# Altium PCB LinuxMini_ExtraBoard.PcbDoc (part 1 of 3)
Units mil, origin at the board's own origin, x right, y up, seen from the top; angles counter-clockwise.
Board outline 8065 x 5740 mil, 2 copper layers (Top Layer, Bottom Layer); 249 components, 216 nets, 879 pads, 804 vias.
Unrouted connection lines stored in the file: 73.
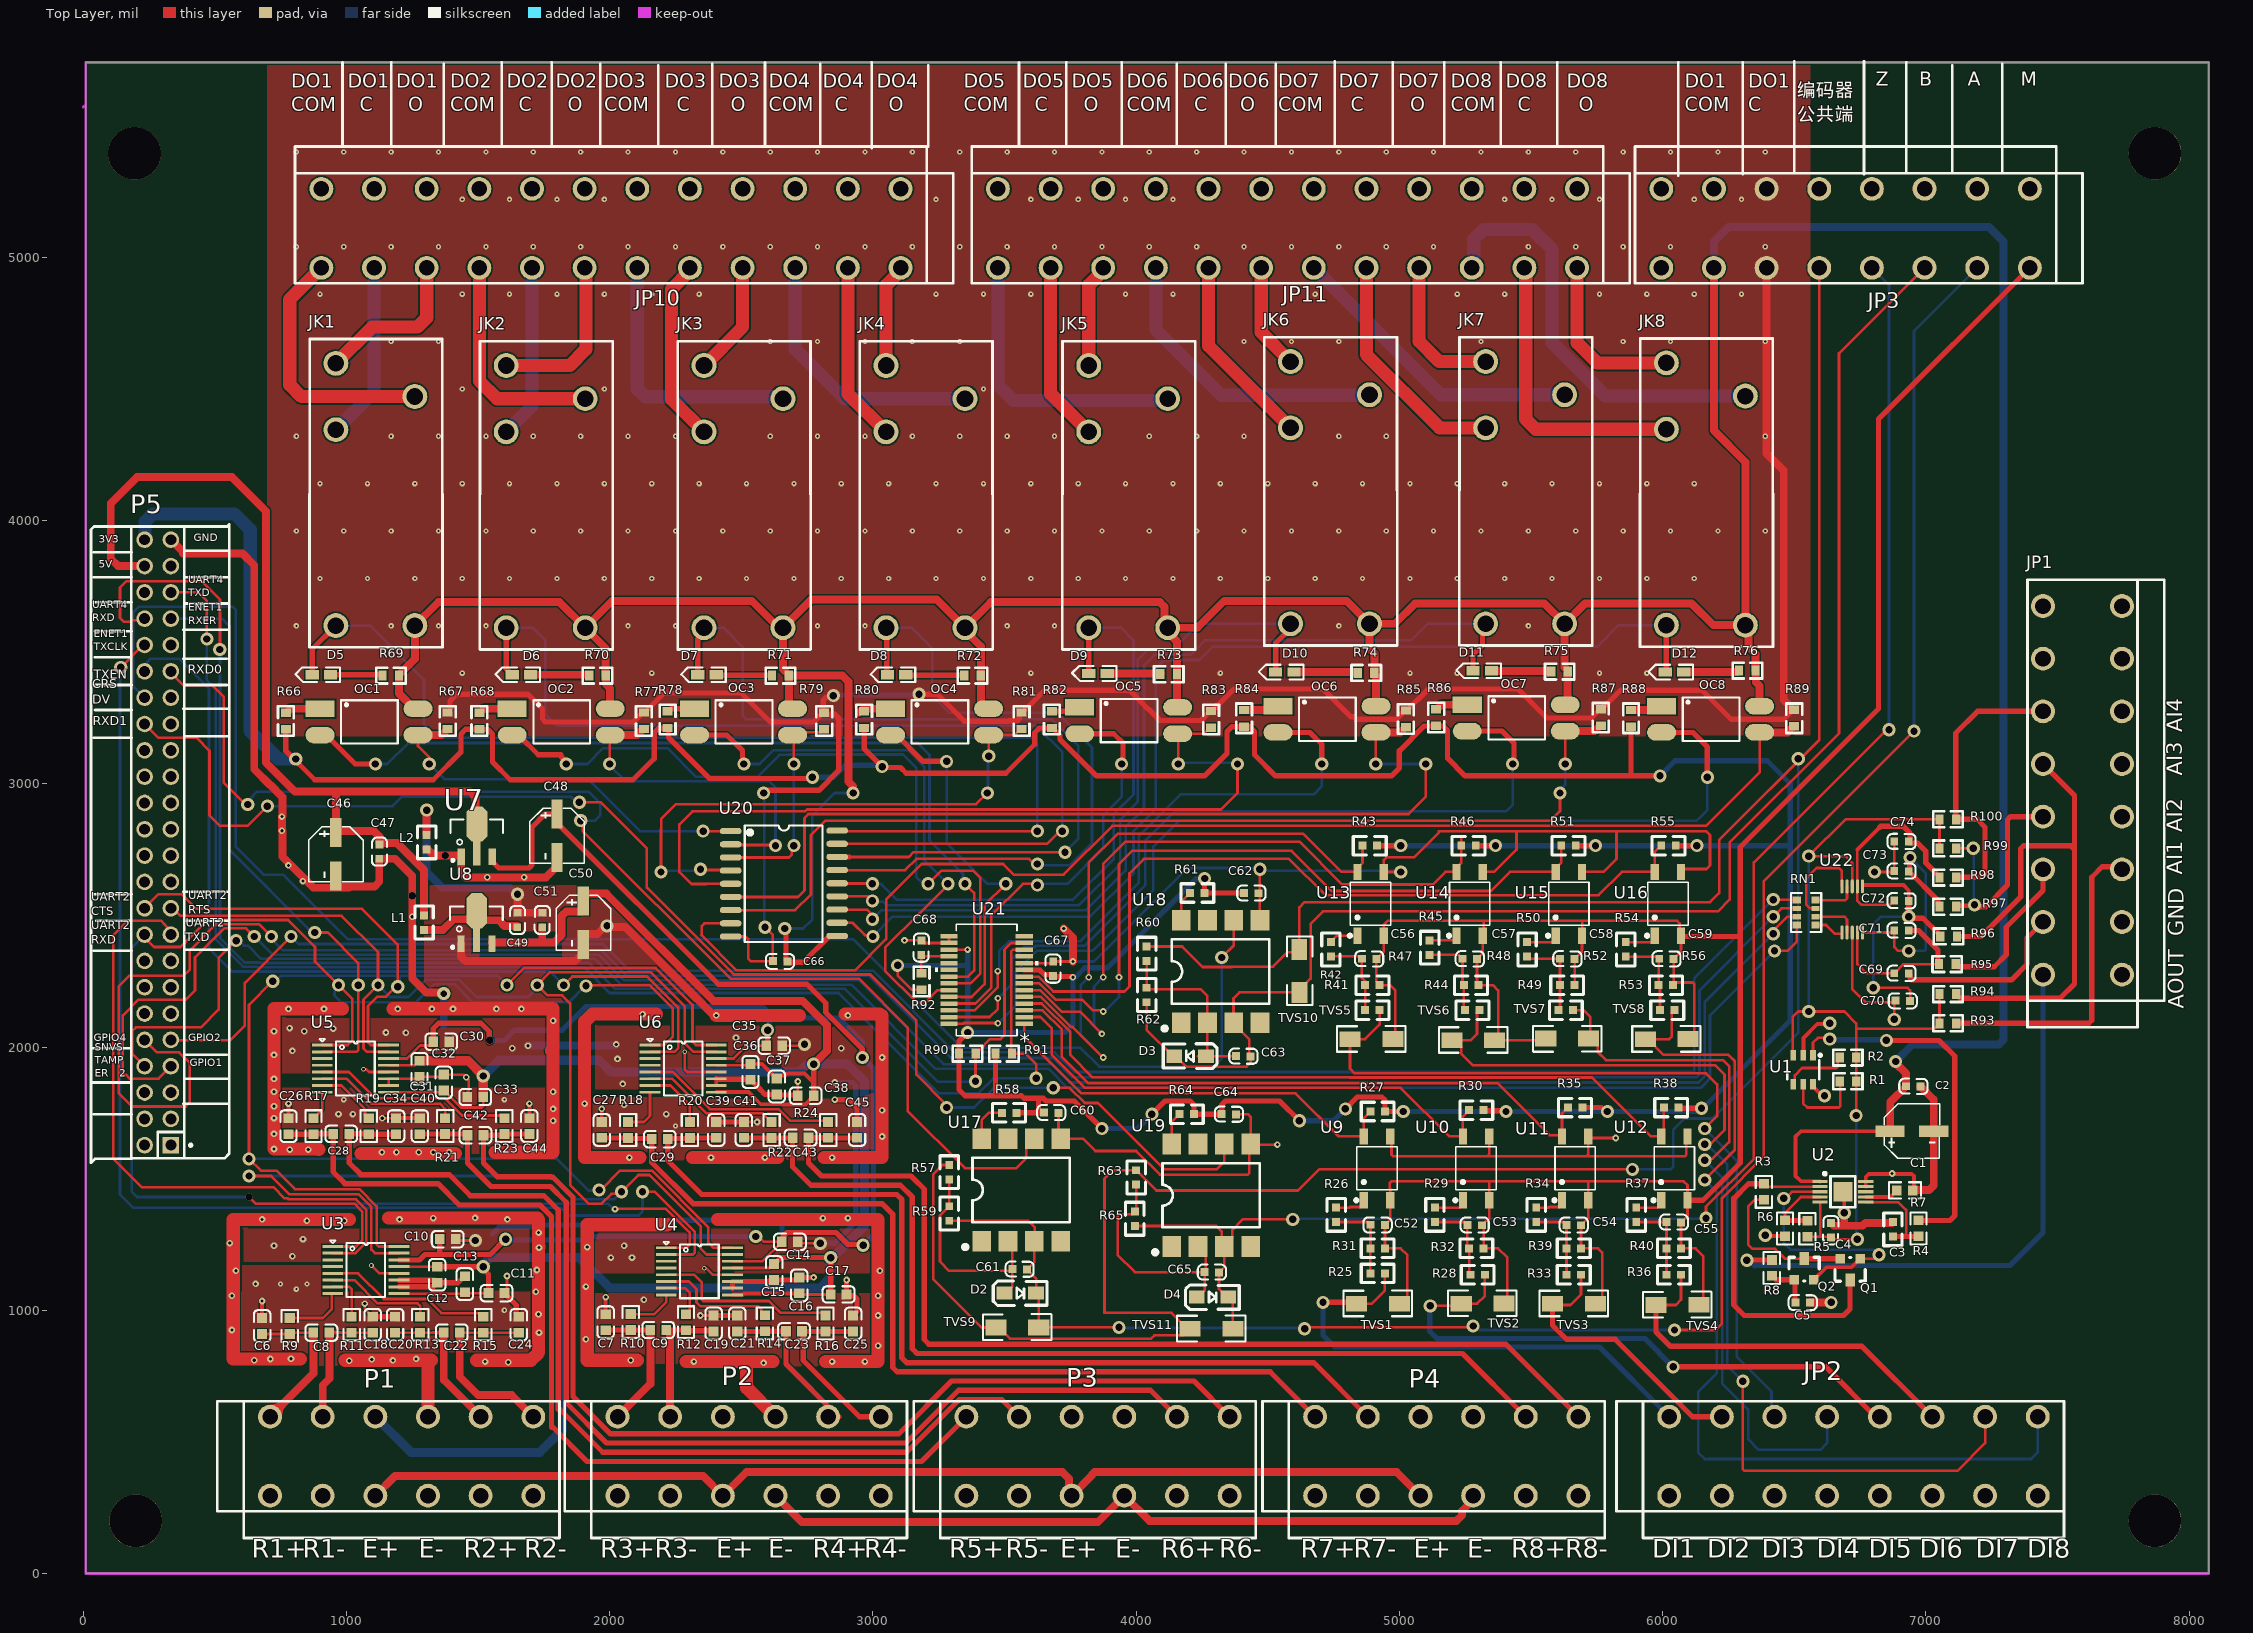
[diagram p0: Top Layer view]
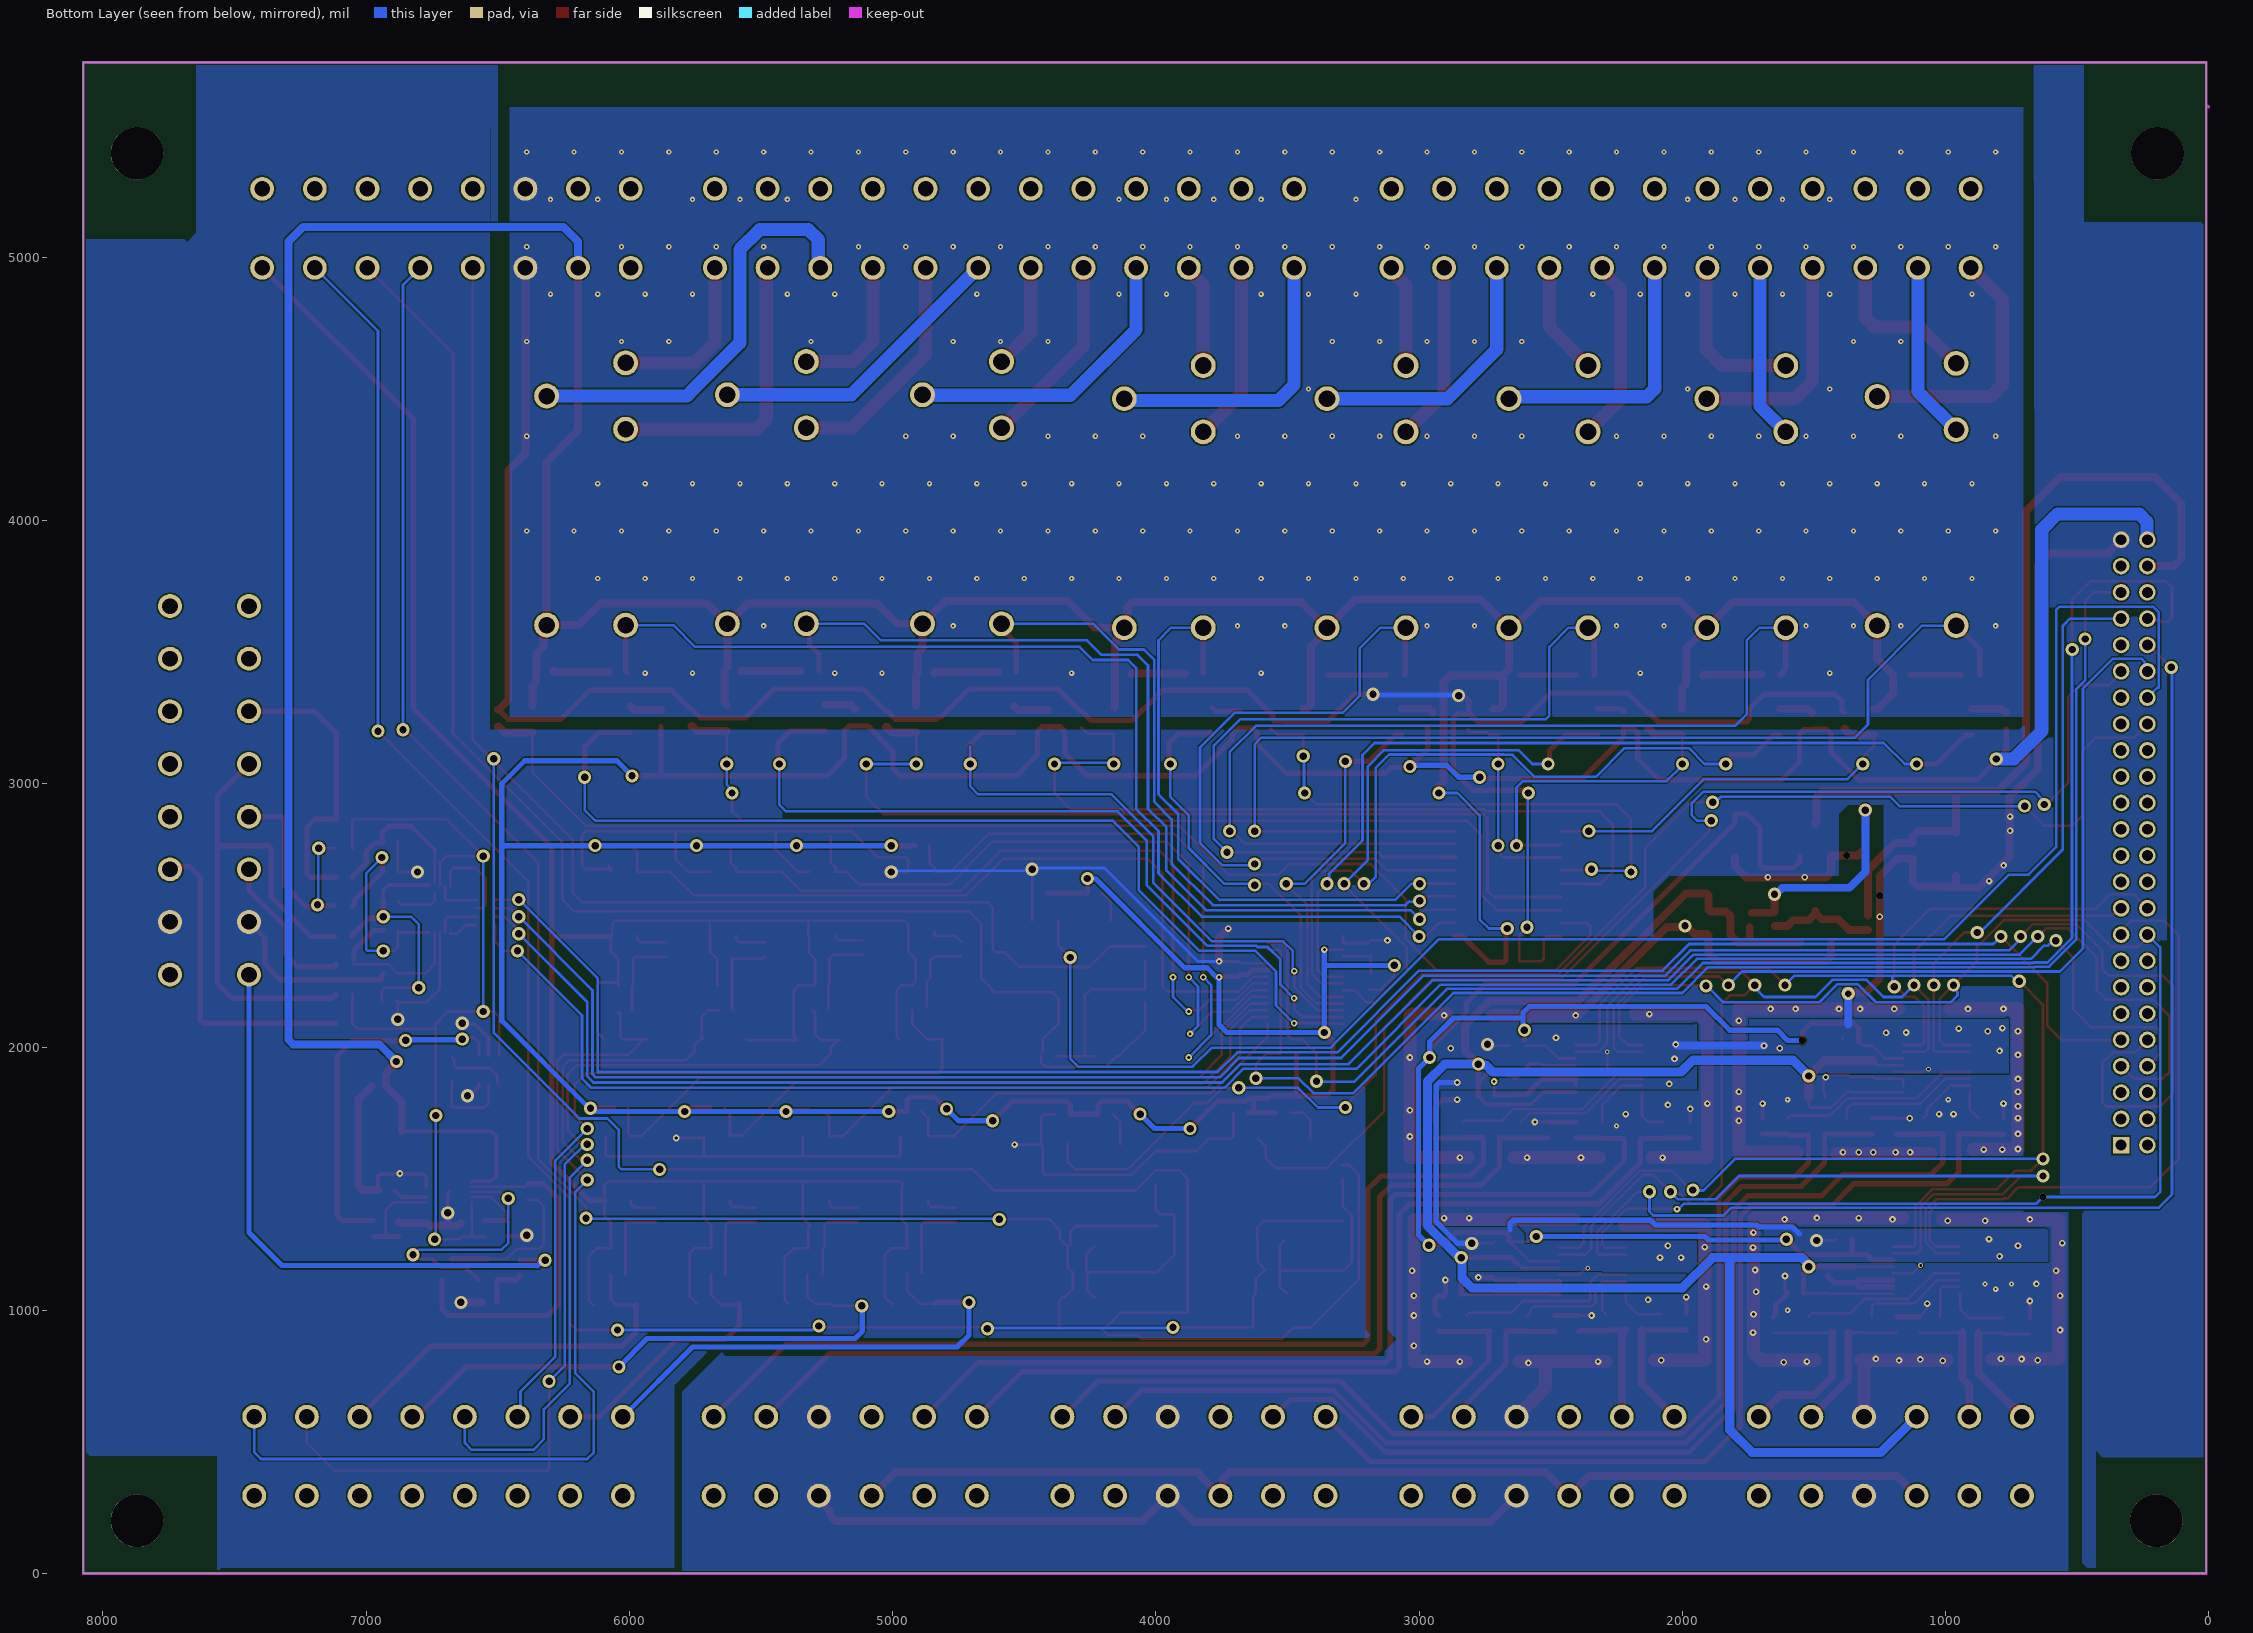
[diagram p1: Bottom Layer view, seen from below]
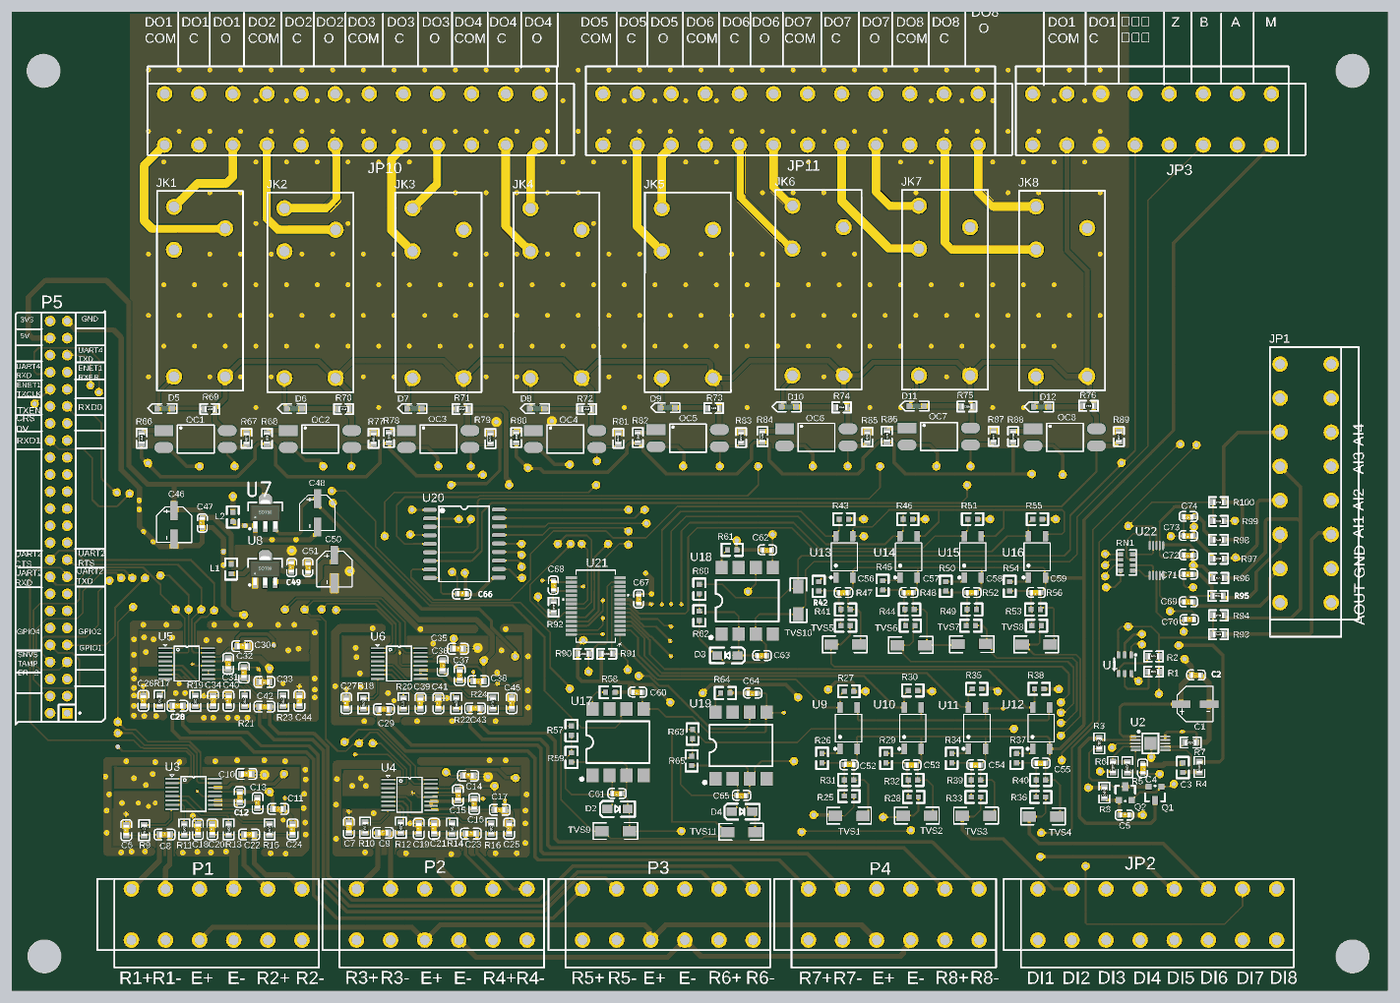
[diagram p4: 3D render of the assembled board from above, using the file's embedded part models]

## Layer stack, top to bottom
Top Solder: solder mask 0.4, Solder Resist, Dk 3.5
Top Layer: signal copper 1.4
Dielectric 1: dielectric 12.6, FR-4, Dk 4.8
Bottom Layer: signal copper 1.4
Bottom Solder: solder mask 0.4, Solder Resist, Dk 3.5

## Board outline
10,0 10,5740 8075,5740 8075,0

## Design rules (kind name [scope] priority, off if disabled: settings)
Clearance [All] p1: gap=6 ignorepadtopadclearanceinfootprint=TRUE
PolygonConnect [All] p1: connectstyle=Direct reliefconductorwidth=10 reliefentries=4 polygonreliefangle="90 Angle" airgapwidth=10
RoutingVias [All] p1: holewidth=28 width=50 viastyle="Through Hole" minholewidth=8 minwidth=20 maxholewidth=28 maxwidth=50
SolderMaskExpansion [All] p1: expansion=4 istentingtop=FALSE
UnRoutedNet [Not InComponent('P1') AND Not InNet('BGND') AND NOt InNet('GND')   AND Not InNet('NC')] p1:
Width [All] p1: maxlimit=50 minlimit=10 preferedwidth=10
29 further rules are at their usual default settings.

## Classes and differential pairs
component class Power: C46 C47 C48 C49 C50 C51 L1 L2 U7 U8
component class DOut: C66 C67 C68 D5 D6 D7 D8 D9 D10 D11 D12 JK1 JK2 JK3 JK4 JK5 JK6 JK7 JK8 JP10 JP11 OC1 OC2 OC3 OC4 OC5 OC6 OC7 OC8 R66 R67 R68 R69 R70 R71 R72 R73 R74 R75 R76 R77 R78 R79 R80 R81 R82 R83 R84 R85 R86 R87 R88 R89 R90 R91 R92 U20 U21
component class DIn: C52 C53 C54 C55 C56 C57 C58 C59 C60 C61 C62 C63 C64 C65 D2 D3 D4 JP2 JP3 R25 R26 R27 R28 R29 R30 R31 R32 R33 R34 R35 R36 R37 R38 R39 R40 R41 R42 R43 R44 R45 R46 R47 R48 R49 R50 R51 R52 R53 R54 R55 R56 R57 R58 R59 R60 R61 R62 R63 R64 R65 TVS1 TVS2 TVS3 TVS4 TVS5 TVS6 TVS7 TVS8 TVS9 TVS10 TVS11 U9 U10 U11 U12 U13 U14 U15 U16 U17 U18 U19
component class Connect: P5
component class AD_DA: C1 C2 C3 C4 C5 C69 C70 C71 C72 C73 C74 JP1 Q1 Q2 R1 R2 R3 R4 R5 R6 R7 R8 R93 R94 R95 R96 R97 R98 R99 R100 RN1 U1 U2 U22
component class AD7799: C6 C7 C8 C9 C10 C11 C12 C13 C14 C15 C16 C17 C18 C19 C20 C21 C22 C23 C24 C25 C26 C27 C28 C29 C30 C31 C32 C33 C34 C35 C36 C37 C38 C39 C40 C41 C42 C43 C44 C45 P1 P2 P3 P4 R9 R10 R11 R12 R13 R14 R15 R16 R17 R18 R19 R20 R21 R22 R23 R24 U3 U4 U5 U6

## Components (designator, comment, footprint, x,y, rotation, side; value= is the part's Value field where it differs from the comment)
C1 "10uf/30V" CC5.05.4 6809.54,1653.9 r0 top locked value=100pF
C2 "104" 0603c 6980.21,1849.65 r180 top locked value=100pF
C3 "130nF" 0603 6875,1280 r90 top locked
C4 "IUF" 0603c 6640.35,1331.67 r270 top locked value=100pF
C5 "10NF" 0603c 6504.79,1030.35 r0 top locked value=100pF
C6 "CAP" 0603_C 680,940.32 r90 top locked
C7 "CAP" 0603_C 1985,954.68 r90 top locked
C8 "100nF" 0603_C 905,915 r0 top locked
C9 "100nF" 0603_C 2185,925 r0 top locked
C10 "100nF" 0603_C 1384.68,1270 r0 top locked
C11 "100nF" 0603_C 1570.32,1065 r0 top locked
C12 "100nF" 0603_C 1345,1134.68 r270 top locked
C13 "100nF" 0603_C 1450,1099.33 r90 top locked
C14 "100nF" 0603_C 2684.68,1260 r0 top locked
C15 "100nF" 0603_C 2625,1145.32 r270 top locked
C16 "100nF" 0603_C 2720,1094.33 r90 top locked
C17 "100nF" 0603_C 2869.68,1060 r0 top locked
C18 "CAP" 0603_C 1100,945 r90 top locked
C19 "CAP" 0603_C 2395,949.68 r90 top locked
C20 "CAP" 0603_C 1185,945 r90 top locked
C21 "CAP" 0603_C 2485,949.68 r90 top locked
C22 "100nF" 0603_C 1400.32,915 r0 top locked
C23 "100nF" 0603_C 2700.32,920 r0 top locked
C24 "CAP" 0603_C 1655,945 r90 top locked
C25 "CAP" 0603_C 2925,949.68 r90 top locked
C26 "CAP" 0603_C 780,1699.33 r90 top locked
C27 "CAP" 0603_C 1970,1685 r90 top locked
C28 "100nF" 0603_C 980.32,1670 r0 top locked
C29 "100nF" 0603_C 2190.32,1650 r0 top locked
C30 "100nF" 0603_C 1360.32,2020 r0 top locked
C31 "100nF" 0603_C 1277.66,1917.34 r270 top locked
C32 "100nF" 0603_C 1370,1865 r90 top locked
C33 "100nF" 0603_C 1489.68,1810 r180 top locked
C34 "CAP" 0603_C 1188.83,1699.33 r90 top locked
C35 "100nF" 0603_C 2625.32,2005 r0 top locked
C36 "100nF" 0603_C 2535,1905.32 r270 top locked
C37 "100nF" 0603_C 2635,1850 r270 top locked
C38 "100nF" 0603_C 2744.68,1815 r180 top locked
C39 "CAP" 0603_C 2405,1685 r90 top locked
C40 "CAP" 0603_C 1278.91,1699.33 r90 top locked
C41 "CAP" 0603_C 2510,1685 r90 top locked
C42 "100nF" 0603_C 1490.32,1665 r0 top locked
C43 "100nF" 0603_C 2725.32,1655 r0 top locked
C44 "CAP" 0603_C 1695,1699.68 r90 top locked
C45 "CAP" 0603_C 2940,1685 r90 top locked
C46 "6.3V 470uF" CC5.05.4 933.9,2870.12 r270 top locked
C47 "104" 0603C 1124.65,2714.79 r90 top locked value=100pF
C48 "6.3V 470uF" CC5.05.4 1773.9,2940.12 r270 top locked
C49 "104" 0603C 1648.65,2454.79 r90 top locked value=100pF
C50 "6.3V 470uF" CC5.05.4 1873.9,2610.12 r270 top locked
C51 "104" 0603C 1745.35,2510.21 r270 top locked value=100pF
C52 "100nF" 0603C 4890,1325 r0 top locked value=104
C53 "100nF" 0603C 5313.7,1322.64 r180 top locked value=104
C54 "100nF" 0603C 5690.12,1322.64 r180 top locked value=104
C55 "100nF" 0603C 6070.21,1333.65 r180 top locked value=104
C56 "100nF" 0603C 4912.98,2333.81 r180 top locked value=104
C57 "100nF" 0603C 5295.21,2333.81 r180 top locked value=104
C58 "100nF" 0603C 5665.84,2333.81 r180 top locked value=104
C59 "100nF" 0603C 6042.27,2333.81 r180 top locked value=104
C60 "100nF" 0603C 3705.21,1749.65 r180 top locked value=104
C61 "100nF" 0603C 3585,1155 r180 top locked value=104
C62 "100nF" 0603C 4465.21,2583.64 r180 top locked value=104
C63 "100nF" 0603C 4435,1964.05 r180 top locked value=104
C64 "100nF" 0603C 4380.21,1743.64 r180 top locked value=104
C65 "100nF" 0603C 4315.21,1143.65 r180 top locked value=104
C66 "100nF" 0603C 2619.79,2326.35 r0 top locked value=104
C67 "100nF" 0603C 3685.35,2325.21 r270 top locked value=104
C68 "100nF" 0603C 3185,2405 r270 top locked value=104
C69 "0.1uf" 0603c 6935.21,2278.65 r180 top locked
C70 "0.1uf" 0603c 6884.79,2176.35 r0 top locked
C71 "1uf" 0603c 6935.15,2441.81 r180 top locked
C72 "1uf" 0603c 6935.15,2554.42 r180 top locked
C73 "0.1uf" 0603c 6935.15,2667.03 r180 top locked
C74 "0.1uf" 0603c 6935.15,2779.65 r180 top locked
D2 "DIODE" 贴片二极管 3620,1065 r180 top locked
D3 "DIODE" 贴片二极管 4145,1965 r0 top locked
D4 "DIODE" 贴片二极管 4350,1050 r180 top locked
D5 "LED" LED-0603G 940,3414.26 r180 top locked
D6 "LED" LED-0603G 1700,3414.26 r180 top locked
D7 "LED" LED-0603G 2405,3414.26 r180 top locked
D8 "LED" LED-0603G 3125,3414.26 r180 top locked
D9 "LED" LED-0603G 3890,3419.26 r180 top locked
D10 "LED" LED-0603G 4600,3424.26 r180 top locked
D11 "LED" LED-0603G 5350,3429.26 r180 top locked
D12 "LED" LED-0603G 6080,3424.26 r180 top locked
JK1 "JS-12-K" JS-12-K 960,3603.23 r90 top locked
JK2 "JS-12-K" JS-12-K 1607.14,3595 r90 top locked
JK3 "JS-12-K" JS-12-K 2358.57,3595 r90 top locked
JK4 "JS-12-K" JS-12-K 3050,3595 r90 top locked
JK5 "JS-12-K" JS-12-K 3820,3595 r90 top locked
JK6 "JS-12-K" JS-12-K 4586.43,3610 r90 top locked
JK7 "JS-12-K" JS-12-K 5327.86,3610 r90 top locked
JK8 "JS-12-K" JS-12-K 6014.28,3605 r90 top locked
JP1 "DB142V-5.08-8P" DB142V-5.08-8P 7445.64,2270 r90 top locked
JP2 "DB142V-5.08-8P" DB142V-5.08-8P 6020,595 r0 top locked
JP3 "DB142V-5.08-8P" DB142V-5.08-8P 7400,4960.64 r180 top locked
JP10 "弹簧端子" DB142V-5.08-12P 3105,4960 r180 top locked
JP11 "弹簧端子" DB142V-5.08-12P 5675,4960 r180 top locked
L1 "60R" 0603 1295,2500 r270 top locked
L2 "60R" 0603 1305,2805 r270 top locked
OC1 "EL817A" SMD_PC817 900,3285 r0 top locked
OC2 "EL817A" SMD_PC817 1630,3285 r0 top locked
OC3 "EL817A" SMD_PC817 2322.88,3285 r0 top locked
OC4 "EL817A" SMD_PC817 3067.15,3285 r0 top locked
OC5 "EL817A" SMD_PC817 3785.72,3290 r0 top locked
OC6 "EL817A" SMD_PC817 4539.3,3295 r0 top locked
OC7 "EL817A" SMD_PC817 5257.87,3300 r0 top locked
OC8 "EL817A" SMD_PC817 5996.44,3295 r0 top locked
P1 "CON6" DB142V-5.08-6P 710,595 r0 top locked
P2 "CON6" DB142V-5.08-6P 2030,595 r0 top locked
P3 "CON6" DB142V-5.08-6P 3355,595 r0 top locked
P4 "CON6" DB142V-5.08-6P 4680,595 r0 top locked
P5 "Header 24X2" HDR2X24_2 383.39,1577.05 r90 top locked
Q1 "SS8550" SOT-23 6710,1115 r180 top locked
Q2 "SI2309" SOT-23 6540,1196.04 r0 top locked
R1 "500R" 0603r 6672.5,1869.89 r0 top locked value=1K
R2 "500R" 0603r 6672.5,1959.89 r0 top locked value=1K
R3 "15R" 0603_R 6385,1449.69 r270 top locked value=1K
R4 "10K" 0603_R 6972.04,1310.89 r90 top locked value=1K
R5 "5.6K/1%" 0603_R 6550,1309.68 r90 top locked value=1K
R6 "8.2K/1%" 0603_R 6464.88,1310.89 r270 top locked value=1K
R7 "2K/1%" 0603_R 6920.32,1455 r180 top locked value=1K
R8 "15R" 0603_R 6415,1160.67 r90 top locked value=1K
R9 "0R" 0603_R 785,940.31 r90 top locked
R10 "0R" 0603_R 2080,955.31 r90 top locked
R11 "0R" 0603_R 1020,945 r90 top locked
R12 "0R" 0603_R 2290,954.68 r90 top locked
R13 "0R" 0603_R 1280,945 r90 top locked
R14 "0R" 0603_R 2590,950.31 r90 top locked
R15 "0R" 0603_R 1520,945 r90 top locked
R16 "0R" 0603_R 2820,949.68 r90 top locked
R17 "0R" 0603_R 875,1699.33 r90 top locked
R18 "0R" 0603_R 2070,1684.68 r90 top locked
R19 "0R" 0603_R 1085,1699.33 r90 top locked
R20 "0R" 0603_R 2305,1684.68 r90 top locked
R21 "0R" 0603_R 1375,1699.68 r90 top locked
R22 "0R" 0603_R 2615,1684.68 r90 top locked
R23 "0R" 0603_R 1600,1699.68 r90 top locked
R24 "0R" 0603_R 2830,1685 r90 top locked
R25 "10K" 0603 4945,1140 r180 top locked
R26 "10K" 0603 4760,1335 r90 top locked
R27 "10K" 0603 4945,1755 r180 top locked
R28 "10K" 0603 5325,1135 r180 top locked
R29 "10K" 0603 5135,1335 r90 top locked
R30 "10K" 0603 5320,1760 r180 top locked
R31 "10K" 0603 4945,1235 r180 top locked
R32 "10K" 0603 5320,1235 r180 top locked
R33 "10K" 0603 5690,1135 r180 top locked
R34 "10K" 0603 5520,1335 r90 top locked
R35 "10K" 0603 5695,1770 r180 top locked
R36 "10K" 0603 6070,1135 r180 top locked
R37 "10K" 0603 5900,1335 r90 top locked
R38 "10K" 0603 6060,1770 r180 top locked
R39 "10K" 0603 5690,1235 r180 top locked
R40 "10K" 0603 6070,1235 r180 top locked
R41 "10K" 0603 4925,2140 r180 top locked
R42 "10K" 0603 4740,2343.23 r90 top locked
R43 "10K" 0603 4915,2765 r180 top locked